# Altium PCB 2-quilter-output.pcbdoc (part 10 of 17) (continued)
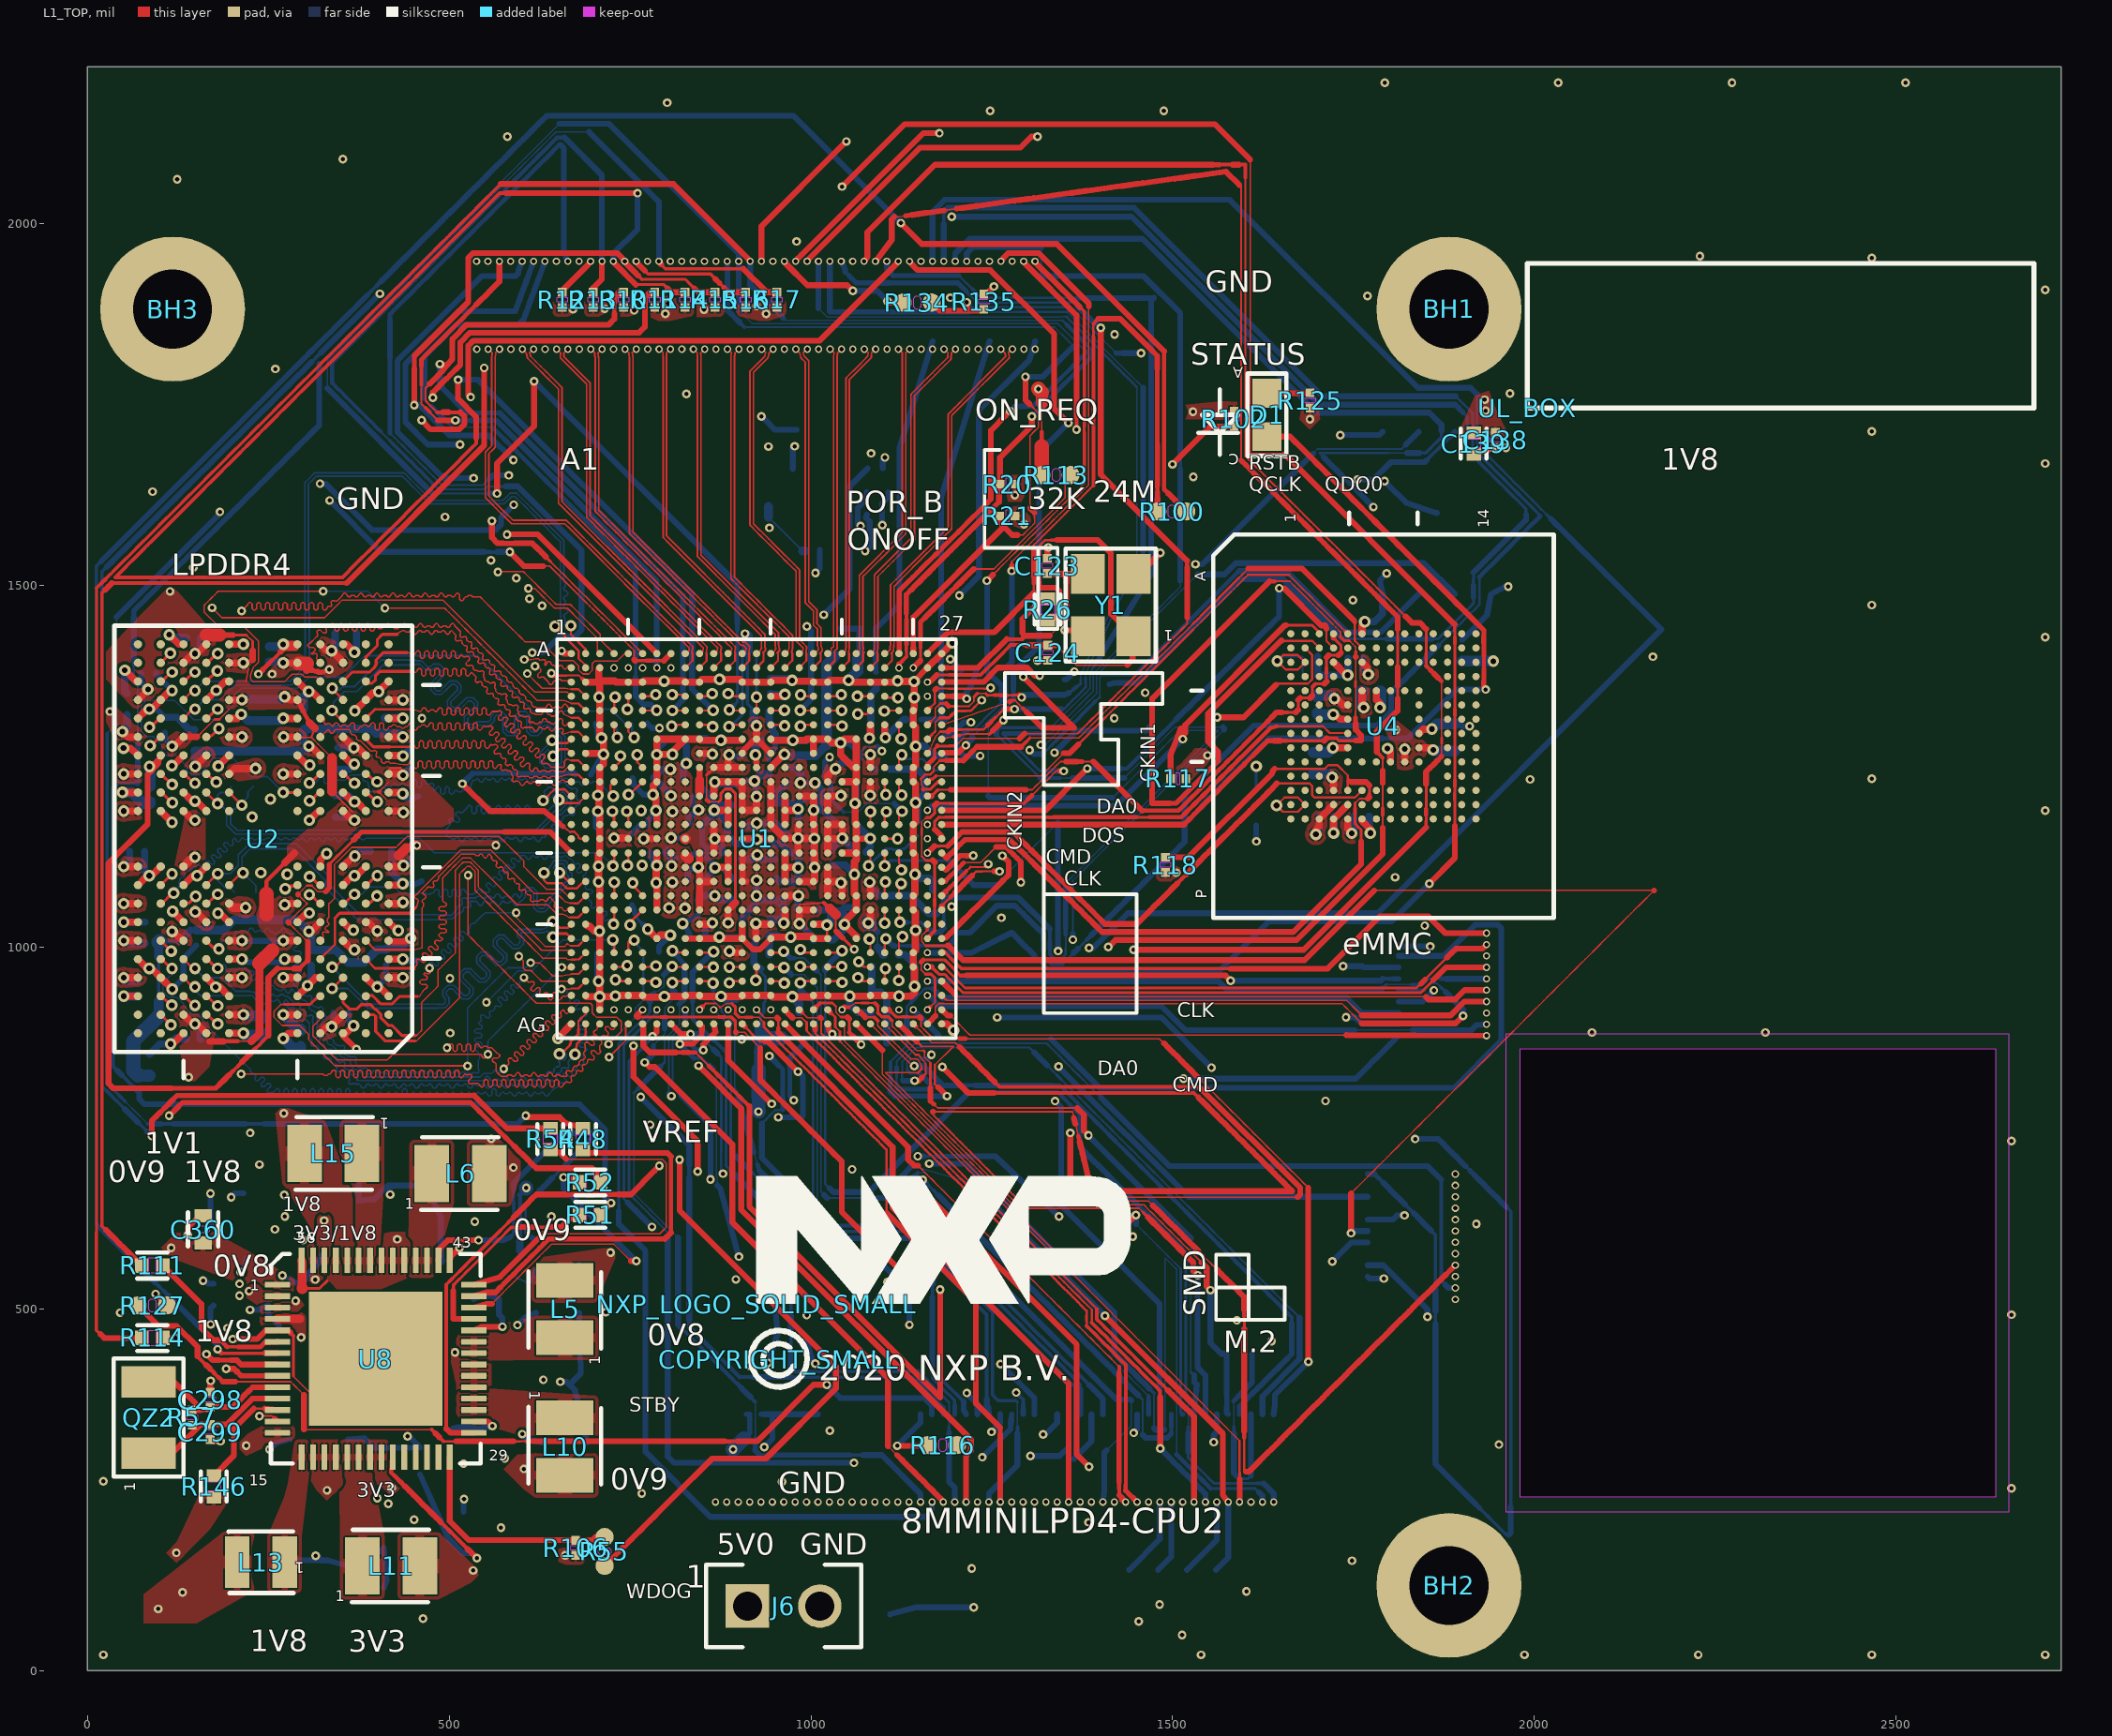
[diagram p0: L1_TOP view]
## Nets (pads, with @x,y where several pads share a name; then routed paths per layer and width w, separated by ;. In a path a pad name is that pad's centre, name@x,y a point inside that pad or via, vN(x,y) a via of type N, cw(c..) or ccw(c..) an arc to the next point about the centre after c; other vN are vias at no path point) (continued)
  L1_TOP w3.37: 1241.79,1350.73 1244.17,1348.35 ; 1244.3,1348.29 1253.06,1348.29 ; 1270.68,1348.29 1279.49,1348.29
  L1_TOP w3.96: 1178.48,1336.6 1186.81,1336.6 ; 1190.28,1333.13 1197.39,1333.13 ; 1279.49,1348.29 v1@1288.31,1348.29
  L1_TOP w4.54: 1225.59,1346.35 1229.97,1350.73 ; 1244.17,1348.35 1244.3,1348.29
  L1_TOP w5.13: 1253.06,1348.29 1261.87,1348.29
  L1_TOP w5.71: 1261.87,1348.29 1270.68,1348.29
  L1_TOP w6.29: U1.F26@1161.11,1307.38 1164.67,1310.93
  L1_TOP w6.88: 1186.81,1336.6 1190.28,1333.13
  L1_TOP w8.05: v1@1288.31,1348.29 v1(1291.37,1345.22)
  L8_BOT w2: 1010.42,1882.96 1016.49,1876.88 1022.56,1870.81 1031.52,1870.81 1040.46,1870.81 1049.41,1870.81 1058.36,1870.81 1067.31,1870.81 1076.26,1870.81 1085.2,1870.81 1094.15,1870.81 1103.1,1870.81 1112.05,1870.81 1121,1870.81 1129.94,1870.81 1138.89,1870.81 1147.84,1870.81 1156.79,1870.81 1165.74,1870.81 1174.69,1870.81 1183.63,1870.81 1192.58,1870.81 1201.53,1870.81 1210.48,1870.81 1219.43,1870.81 1228.37,1870.81 1237.32,1870.81 1246.27,1870.81 1255.22,1870.81 1264.17,1870.81 1273.11,1870.81 1282.06,1870.81 1291.01,1870.81 1299.96,1870.81 1308.91,1870.81 1317.86,1870.81 1326.8,1870.81 1335.75,1870.81 1344.7,1870.81 1345.58,1871.69 1352.87,1871.69 ; 1450.4,1541.36 1450.4,1550.31 1450.4,1559.27 1450.4,1568.22 1450.4,1577.17 1450.4,1586.13 1450.4,1595.08 1450.4,1604.04 1450.4,1612.99 1450.4,1621.94 1450.4,1630.9 1450.4,1639.85 1450.4,1648.8 1450.4,1657.76 1450.4,1666.71 1450.4,1675.66 1450.4,1684.62 1450.4,1693.57 1450.4,1702.53 1450.4,1711.48 1450.4,1720.43 1450.4,1729.39 1450.4,1738.34 1450.4,1747.29 1450.4,1756.25 1450.4,1765.2 1450.4,1774.15
  L8_BOT w2.2: 1372.92,1370.54 1372.92,1376.76 1376.61,1384.61 1380.3,1392.44 1383.99,1400.28 1387.68,1408.12 1391.37,1415.96 1395.06,1423.79 1398.75,1431.63 1402.44,1439.47 1406.13,1447.31 1409.82,1455.15 1413.51,1462.98 1417.2,1470.82 1420.89,1478.66 1424.58,1486.5 1428.27,1494.33 1431.96,1502.17 1435.65,1510.01 1439.34,1517.85 1443.02,1525.68 1446.71,1533.52 1450.4,1541.36
  L8_BOT w3.37: 1352.87,1871.69 1358.96,1865.6 1365.06,1859.5 1371.15,1853.4 1377.25,1847.31 1383.35,1841.21 1389.44,1835.12 1395.54,1829.02 1401.63,1822.92 1407.73,1816.83 1413.83,1810.73 1419.92,1804.63 1426.02,1798.54 1432.12,1792.44 1438.21,1786.35 1444.31,1780.25 1450.4,1774.15 ; 1372.92,1364.31 1372.92,1370.54
  L8_BOT w3.96: R18.1@1356.77,1351.68 1362.15,1355.89 ; 1367.54,1360.1 1372.92,1364.31
  L8_BOT w5.71: 1362.15,1355.89 1367.54,1360.1
  L8_BOT w8.05: 1010.42,1882.96 v3(1010.5,1947.75) ; v1(1291.37,1345.22) 1294.83,1348.68 R18.1@1350.79,1348.69 R18.1@1356.77,1351.68
JTAG_TDI: J4.54 U1.E27
  other v3: 947.51,1947.75
JTAG_TDO: J4.52 U1.E26 | length 1395.5
  L1_TOP w2.79: 1164.67,1330.61 1168.11,1334.06 1171.56,1337.51 ; 1173.4,1357.45 1181.62,1357.45 1189.84,1357.45 ; 1222.71,1357.45 1230.93,1357.45 1239.15,1357.45
  L1_TOP w3.37: 1171.56,1337.51 1171.56,1343.54 1171.56,1349.57 1171.56,1355.6 ; 1189.84,1357.45 1198.06,1357.45 1206.28,1357.45 1214.49,1357.45 1222.71,1357.45 ; 1239.15,1357.45 v1@1247.37,1357.45
  L1_TOP w6.29: U1.E26@1161.11,1327.06 1164.67,1330.61
  L1_TOP w8.05: v3(931.76,1947.75) 931.77,1996.19 1042.57,2106.99 v1(1049.09,2113.51) ; 1171.56,1355.6 1173.4,1357.45 ; v1@1247.37,1357.45 v1(1248.45,1358.53)
  L3_INNER1 w4.54: 1169.84,2113.51 1178.47,2113.51 1184.79,2107.18 1191.11,2100.86 1197.44,2094.54 1203.76,2088.21 1210.08,2081.89 1216.41,2075.57 1222.73,2069.25 1229.05,2062.92 1235.37,2056.6 1241.7,2050.28 1248.02,2043.95 1254.34,2037.63 1260.67,2031.31 1266.99,2024.98 1273.31,2018.66 1279.64,2012.34 1285.96,2006.02 1292.28,1999.69 1298.6,1993.37 1304.93,1987.05 1311.25,1980.72 1317.57,1974.4 1323.9,1968.08 1330.22,1961.75 1336.54,1955.43 1342.87,1949.11 1349.19,1942.78 1355.51,1936.46 1361.84,1930.14 1368.16,1923.82 1374.48,1917.49 1380.8,1911.17 1387.13,1904.85 1393.45,1898.52 1399.77,1892.2 1406.1,1885.88 1412.42,1879.55 1418.74,1873.23 1425.07,1866.91 1431.39,1860.59 1437.71,1854.26 1437.71,1845.29
  L3_INNER1 w8.05: v1(1049.09,2113.51) 1057.71,2113.51 1066.34,2113.51 1074.96,2113.51 1083.59,2113.51 1092.21,2113.51 1100.84,2113.51 1109.46,2113.51 1118.09,2113.51 1126.71,2113.51 1135.34,2113.51 1143.97,2113.51 1152.59,2113.51 1161.22,2113.51 1169.84,2113.51 ; v1(1248.45,1358.53) 1248.45,1386.94 1437.72,1576.21 1437.72,1580.7 1437.71,1585.19 1437.71,1594.16 1437.71,1603.13 1437.71,1612.1 1437.71,1621.07 1437.71,1630.03 1437.71,1639 1437.71,1647.97 1437.71,1656.94 1437.71,1665.91 1437.71,1674.88 1437.71,1683.85 1437.71,1692.82 1437.71,1701.79 1437.71,1710.76 1437.71,1719.73 1437.71,1728.69 1437.71,1737.66 1437.71,1746.63 1437.71,1755.6 1437.71,1764.57 1437.71,1773.54 1437.71,1782.51 1437.71,1791.48 1437.71,1800.45 1437.71,1809.42 1437.71,1818.39 1437.71,1827.35 1437.71,1836.32 1437.71,1845.29
JTAG_TMS: J4.58 U1.F27 | length 1635.1
  L1_TOP w2: U1.F27@1180.8,1307.38 1189.32,1310.25 1197.84,1313.13 1206.36,1316 1214.87,1318.87 1223.39,1321.74 1231.9,1324.61 1240.42,1327.49 1248.94,1330.36 1257.45,1333.23 1265.97,1336.1 1274.49,1338.98 ; 1281.92,1341.31 1287.39,1335.84 1292.85,1330.38
  L1_TOP w3.37: 1276.83,1341.31 1281.92,1341.31
  L1_TOP w4.54: 1275.26,1339.74 1276.83,1341.31
  L1_TOP w5.71: 1292.85,1330.38 1298.31,1324.91
  L1_TOP w6.29: 1274.49,1338.98 1275.26,1339.74
  L1_TOP w8.05: v3(979.01,1947.75) 982.05,1951.79 987.46,1957.21 987.58,1957.21 1155.35,2124.98 v1(1177.56,2124.98) ; v1(1293.38,1373.67) 1298.3,1368.76 1363.98,1303.08 ; 1298.31,1324.91 1303.78,1319.45 1309.24,1313.99 1314.71,1308.52 1320.16,1303.06 1363.98,1303.06
  L3_INNER1 w3.37: 1311.09,1385.52 1316.96,1385.52 1323.27,1391.83 1329.59,1398.15 1335.91,1404.47 1342.23,1410.79 1348.55,1417.11 1354.87,1423.43 1361.19,1429.75 1367.51,1436.07 1373.83,1442.39 1380.15,1448.71 1386.47,1455.03 1392.79,1461.35 1399.11,1467.67 1405.43,1473.99 1411.75,1480.31 1418.07,1486.63 1424.39,1492.95 1430.71,1499.27 1437.03,1505.59 1443.34,1511.9 1449.66,1518.22 1455.98,1524.54 1462.3,1530.86
  L3_INNER1 w3.96: v1(1177.56,2124.98) 1183.91,2118.62 1190.27,2112.26 1196.63,2105.91 1202.98,2099.55 1209.34,2093.19 1215.69,2086.84 1222.05,2080.48 1228.41,2074.13 1234.76,2067.77 1241.12,2061.41 1247.48,2055.06 1253.83,2048.7 1260.19,2042.34 1266.54,2035.99 1272.9,2029.63 1279.26,2023.28 1285.61,2016.92 1291.97,2010.56 1298.33,2004.21 1304.68,1997.85 1311.04,1991.49 1317.39,1985.14 1323.75,1978.78 1330.11,1972.43 1336.46,1966.07 1342.82,1959.71 1349.18,1953.36 1355.53,1947 1361.89,1940.64 1368.25,1934.29 1374.6,1927.93 1380.96,1921.58 1387.31,1915.22 1393.67,1908.86 1400.03,1902.51 1406.38,1896.15 1412.74,1889.79 1419.1,1883.44 1425.45,1877.08 1431.81,1870.73 1438.16,1864.37 1444.52,1858.01 ; 1462.3,1530.86 1462.3,1537.64 1462.3,1544.42 1462.3,1551.2 1462.3,1557.97
  L3_INNER1 w4.54: 1305.22,1385.52 1311.09,1385.52 ; 1444.52,1858.01 1450.88,1851.66
  L3_INNER1 w8.05: v1(1293.38,1373.67) 1305.22,1385.52 ; 1450.88,1851.66 1457.23,1845.3 1463.59,1838.94 1469.95,1832.59 1476.3,1826.23 1482.66,1819.88 1489.01,1813.52 1495.37,1807.16 1501.73,1800.81 1508.08,1794.45 1514.44,1788.09 1520.8,1781.74 1527.15,1775.38 1533.51,1769.03 1539.86,1762.67 1546.22,1756.31 1552.58,1749.96 1558.93,1743.6 1565.29,1737.24 1571.65,1730.89 1578,1724.53 1584.36,1718.17 1590.71,1711.82 1597.07,1705.46 1597.07,1692.75 1462.3,1557.97
LX1: L5.1 U8.36 U8.37
LX2: L6.1 U8.45 U8.46
LX3: L10.1 U8.31 U8.32
LX4: L11.1 U8.19 U8.20
LX5: L13.1 U8.15
M.2_32K_OUT: J5.37 R116.2 | length 100.3
  L1_TOP w8.05: v1(1119.23,310.93) 1128.94,310.93 1160.91,310.93 R116.2@1162,312
  L8_BOT w8.05: v1(1119.23,310.93) 1119.46,310.93 1151.52,342.99 J5.37@1151.53,354.53
NC1: U1.J18
NetC245_1: C245.1 U1.R22 | length 104.8
  L1_TOP w3: v2(1079.64,1112.35) 1082.37,1115.08 U1.R22@1082.37,1130.22
  L8_BOT w4.1: v2(1079.64,1112.35) 1103.14,1135.85 1112.66,1135.85 1113.66,1134.85 1126.14,1134.85 1127.2,1135.91 1129.39,1135.91 C245.1@1147.38,1153.9
NetC268_1: C268.1 U1.D15 | length 40.7
  L1_TOP w10: U1.D15@944.57,1346.75 961.38,1346.75 v2(963.95,1349.32)
  L8_BOT w10: C268.1@944.2,1350.57 945.45,1349.32 v2(963.95,1349.32)
NetD1_A: D1.A R125.2 | length 59.8
  L1_TOP w8.05: D1.A@1630.29,1765.74 1650.28,1765.75 1689.29,1765.75 R125.2@1689.83,1766.27
NetD1_C: D1.C Q1.3 | length 953.8
  L1_TOP w5.13: 1929.86,1385.25 1929.86,1394.05 1929.86,1402.85
  L1_TOP w6.29: 1929.86,1367.66 1929.86,1376.46 1929.86,1385.25 ; 1929.86,1402.85 1929.86,1411.65 1929.86,1420.44 ; 1929.86,1429.24 1929.86,1438.04
  L1_TOP w6.88: 1923.63,1444.27 1929.86,1438.04 ; 1929.86,1367.66 1929.86,1358.86 v1(1932.59,1356.13) ; 1929.86,1420.44 1929.86,1429.24
  L1_TOP w7.46: 1761.76,1606.14 1767.99,1599.91 1774.22,1593.68 ; 1917.41,1450.49 1923.63,1444.27
  L1_TOP w8.05: D1.C@1630.29,1705.74 1662.15,1705.75 1668.38,1699.52 1674.6,1693.3 1680.83,1687.07 1687.05,1680.84 1693.28,1674.62 1699.51,1668.39 1705.73,1662.17 1711.96,1655.94 1718.18,1649.72 1724.41,1643.49 1730.64,1637.26 1736.86,1631.04 1743.09,1624.81 1749.31,1618.59 1755.54,1612.36 1761.76,1606.14 ; 1774.22,1593.68 1780.44,1587.46 1786.67,1581.23 1792.89,1575.01 1799.12,1568.78 1805.34,1562.56 1811.57,1556.33 1817.8,1550.1 1824.02,1543.88 1830.25,1537.65 1836.47,1531.43 1842.7,1525.2 1848.92,1518.97 1855.15,1512.75 1861.38,1506.52 1867.6,1500.3 1873.83,1494.07 1880.05,1487.85 1886.28,1481.62 1892.51,1475.39 1898.73,1469.17 1904.96,1462.94 1911.18,1456.72 1917.41,1450.49
  L8_BOT w4.54: 1711.59,1288.59 1720.28,1288.59 1728.97,1288.59
  L8_BOT w5.71: 1798.51,1288.59 1807.2,1288.59 1815.89,1288.59
  L8_BOT w6.29: 1789.81,1288.59 1798.51,1288.59
  L8_BOT w7.46: 1728.97,1288.59 1737.67,1288.59
  L8_BOT w8.05: Q1.3@1540.53,1194 1540.54,1195.76 1633.37,1288.59 1642.06,1288.59 1650.75,1288.59 1659.44,1288.59 1668.13,1288.59 1676.82,1288.59 1685.52,1288.59 1694.21,1288.59 1702.9,1288.59 1711.59,1288.59 ; 1737.67,1288.59 1746.36,1288.59 1755.05,1288.59 1763.74,1288.59 1772.43,1288.59 1781.12,1288.59 1789.81,1288.59 ; 1815.89,1288.59 1824.58,1288.59 1892.12,1356.13 1923.61,1356.13 v1(1932.59,1356.13)
NetL15_1: L15.1 U8.50 U8.51
NetR7_2: R7.2 U1.P2 | length 363.1
  L1_TOP w2.79: 657.98,1166.64 662.73,1162.81 667.48,1158.98
  L1_TOP w3: 668.98,1159.74 673.06,1159.74 678.82,1153.98 678.82,1151.65 680.58,1149.89 U1.P2@688.67,1149.9
  L1_TOP w6.88: 651.33,1172 657.98,1166.64
  L1_TOP w8.05: v1(518.53,1225.99) 556.43,1188.09 631.4,1188.09 638.04,1182.73 644.69,1177.36 651.33,1172
  L8_BOT w6.88: 532.79,1240.25 541.74,1240.25 550.68,1240.25 559.63,1240.25 568.58,1240.25 577.52,1240.25 586.47,1240.25 595.42,1240.25 604.36,1240.25 613.31,1240.25 622.25,1240.25 631.2,1240.25 640.15,1240.25 649.09,1240.25 658.04,1240.25 665.58,1240.25
  L8_BOT w7.46: 665.58,1240.25 R7.2@673.13,1240.25
  L8_BOT w8.05: v1(518.53,1225.99) 524.6,1232.06 532.79,1240.25 ; R7.2@673.13,1240.25 R7.2@674.94,1238.44
NetR28_1: R28.1 U1.D19 | length 320.4
  L1_TOP w3: U1.D19@1023.31,1346.75 1039.36,1346.75 1041.72,1349.11 v2(1042.09,1349.11)
  L3_INNER1 w6.29: 1038.49,1361.39 1038.49,1370.05 1038.49,1378.71 ; 1038.49,1439.32 1038.49,1447.98 1038.49,1456.64
  L3_INNER1 w7.46: 1038.49,1361.39 1042.09,1357.79 ; 1038.49,1378.71 1038.49,1387.37 1038.49,1396.03 1038.49,1404.69 1038.49,1413.35 1038.49,1422 1038.49,1430.66 1038.49,1439.32 ; 1050.27,1563.66 1056.16,1569.55
  L3_INNER1 w8.05: 1038.49,1456.64 1038.49,1465.3 1038.49,1473.95 1038.49,1482.61 1038.49,1491.27 1038.49,1499.93 1038.49,1508.59 1038.49,1517.25 1038.49,1525.9 1038.49,1534.56 1038.49,1543.22 1038.49,1551.88 1044.38,1557.77 1050.27,1563.66 ; v2(1042.09,1349.11) 1042.09,1357.79 ; 1056.16,1569.55 1062.05,1575.44 v1(1068.64,1582.03)
  L8_BOT w8.05: v1(1068.64,1582.03) 1064.8,1585.87 1064.8,1606.99 1077.22,1619.41 R28.1@1077.24,1629
NetR29_1: R29.1 U1.E19 | length 389.5
  L1_TOP w3: U1.E19@1023.31,1327.06 1042.27,1327.06 v2(1042.59,1327.38)
  L3_INNER1 w6.29: 1028.37,1341.59 1028.37,1350.51 1028.37,1359.44 1028.37,1368.36 ; 1028.37,1377.28 1028.37,1386.2 1028.37,1395.12 1028.37,1404.04 1028.37,1412.97 1028.37,1421.89 1028.37,1430.81 1028.37,1439.73 1028.37,1448.65
  L3_INNER1 w6.88: 1028.37,1341.59 1033.1,1336.86 ; 1028.37,1368.36 1028.37,1377.28
  L3_INNER1 w7.46: 1024.16,1452.86 1028.37,1448.65
  L3_INNER1 w8.05: v1(1017.74,1459.28) 1024.16,1452.86 ; 1033.1,1336.86 1037.84,1332.12 v2(1042.59,1327.38)
  L8_BOT w8.05: v1(1017.74,1459.28) 1025.9,1467.44 1053.73,1495.27 1053.73,1637.24 R29.1@1078.49,1662
NetR30_1: R30.1 U1.E22 | length 307.9
  L1_TOP w3: v2(1064.78,1322.36) 1077.67,1322.36 U1.E22@1082.37,1327.06
  L3_INNER1 w8.05: v2@1064.78,1322.34 1070.47,1328.05 1078.84,1336.42 1078.84,1378.65 1075.08,1382.41 1075.08,1537.44 v1(1075.08,1547.54)
  L8_BOT w8.05: v1(1075.08,1547.54) 1081.21,1553.67 1081.21,1588.4 1075.87,1593.75 R30.1@1077.38,1598.3
NetR48_2: R48.2 U8.41 | length 538
  L1_TOP w5.71: 806.7,605.47 806.7,614.25 806.7,623.02 806.7,631.79 806.7,640.57 806.7,649.34 806.7,658.12 806.7,666.89 806.7,675.67 806.7,684.44 806.7,693.21 806.7,701.99 806.7,710.76
  L1_TOP w6.88: 570.92,529.99 576.98,536.05 583.05,542.11 589.11,548.18 595.18,554.24 601.24,560.31 607.3,566.37 613.37,572.43 619.43,578.5 625.5,584.56 631.56,590.63 637.62,596.69 646.52,596.69 655.42,596.69 664.32,596.69 673.22,596.69 682.12,596.69 691.01,596.69 699.91,596.69 708.81,596.69 717.71,596.69 726.61,596.69 735.51,596.69 744.4,596.69 753.3,596.69 762.2,596.69 771.1,596.69 780,596.69 788.9,596.69 797.79,596.69
  L1_TOP w8.05: U8.41@534.51,517.85 552.04,523.04 563.98,523.04 564.86,523.92 570.92,529.99 ; R48.2@685,720.24 689.63,715.61 801.85,715.61 806.7,710.76 ; 797.79,596.69 797.92,596.69 806.7,605.47
NetR51_2: R51.2 U8.39 | length 288.5
  L1_TOP w3.96: 512.07,539.05 518.26,545.23 524.44,551.42 530.63,557.6 536.81,563.79 543,569.97 549.18,576.16 555.37,582.35 561.56,588.53 567.74,594.72 573.93,600.9 580.11,607.09
  L1_TOP w4.54: 505.89,525.11 505.89,532.86 512.07,539.05 ; 580.11,607.09 586.3,613.27 594.88,613.27 ; 620.61,613.27 629.19,613.27 637.77,613.27
  L1_TOP w8.05: 505.89,525.11 505.89,517.36 505.89,509.61 505.89,501.87 505.89,494.12 505.89,486.37 U8.39@534.52,486.35 ; 594.88,613.27 603.46,613.27 612.03,613.27 620.61,613.27 ; 637.77,613.27 646.35,613.27 654.93,613.27 666.63,624.97 R51.2@680.24,630
NetR52_2: R52.2 U8.40 | length 449.1
  L1_TOP w2: 559.34,507.3 560.38,508.35 566.62,514.58 572.86,520.82 579.09,527.06 585.33,533.29 591.57,539.53 597.8,545.77 604.04,552 610.28,558.24 616.51,564.48 622.75,570.71 628.99,576.95 635.22,583.19 641.46,589.42 650.13,589.42 658.79,589.42 667.46,589.42 676.13,589.42 684.79,589.42 693.46,589.42 702.13,589.42 710.79,589.42 719.46,589.42 728.13,589.42 733.91,583.64 739.69,577.87 745.46,572.09 751.24,566.31
  L1_TOP w8.05: U8.40@534.52,502.1 552.05,507.3 559.34,507.3 ; v1(658.41,682.01) 661.3,682 R52.2@680.24,675 ; 751.24,566.31 v1(758.84,566.31)
  L8_BOT w8.05: v1(658.41,682.01) 658.41,666.74 v1(758.84,566.31)
NetR54_2: R54.2 U8.42 | length 551
  L1_TOP w2: 630.06,603.96 639.01,603.96 647.95,603.96 656.9,603.96 665.84,603.96 674.79,603.96 683.73,603.96 692.67,603.96 701.62,603.96 710.56,603.96 719.51,603.96 728.45,603.96 737.4,603.96 746.34,603.96 755.28,603.96 764.23,603.96 773.17,603.96 782.12,603.96 791.06,603.96 791.13,603.96 795.57,608.4 800.01,612.84 800.01,621.72 800.01,630.6 800.01,639.47 800.01,648.35 800.01,657.23 800.01,666.1 800.01,674.98 800.01,683.86 800.01,692.74 800.01,701.61 794.53,707.09 785.69,707.09 776.86,707.09 768.02,707.09 759.18,707.09 750.35,707.09 741.51,707.09 732.68,707.09 723.84,707.09 715,707.09 706.17,707.09 697.33,707.09 688.49,707.09 679.66,707.09 670.82,707.09 661.98,707.09
  L1_TOP w8.05: U8.42@534.52,533.59 570.3,544.19 630.06,603.96 ; R54.2@640,720.24 652.63,716.44 661.98,707.09
NetR55_2: R55.2 R106.2 U8.28 | length 315.2
  L1_TOP w8.05: U8.28@501.05,295.4 501.04,207.06 527.58,180.52 R106.2@675,180.51 697.91,180.51 702.4,185 R55.2@715,185
NetR108_1: R108.1 U1.F22 | length 93.3
  L1_TOP w10: v2(1080.89,1288.9) 1082.37,1290.38 U1.F22@1082.37,1307.38
  L8_BOT w10: v2(1080.89,1288.9) 1082.89,1290.9 1082.89,1349.4 1089.89,1356.4 R108.1@1089.89,1359.39
NetR109_1: R109.1 U1.F23 | length 57.4
  L1_TOP w10: U1.F23@1102.05,1307.38 1102.05,1290.4 v2(1102.9,1289.55)
  L8_BOT w10: v2(1102.9,1289.55) 1102.9,1289.93 1127.87,1314.9 R109.1@1131.38,1314.9
NetR111_1: R111.1 U8.6 | length 226.7
  L1_TOP w4.54: 193.43,447.55 201.09,447.55 208.75,447.55
  L1_TOP w6.29: 184.04,456.94 188.74,452.25 193.43,447.55 ; 208.75,447.55 216.4,447.55 224.06,447.55 231.71,447.55 239.37,447.55 245.35,453.53
  L1_TOP w8.05: R111.1@104.76,560 157.9,506.87 157.9,473.56 174.52,456.94 184.04,456.94 ; 245.35,453.53 U8.6@262.85,454.86
NetR114_1: R114.1 U8.9 | length 180.1
  L1_TOP w7.46: 207.87,412.58 212.83,407.62 221.17,407.62 229.5,407.62 237.84,407.62 246.18,407.62 254.52,407.62 U8.9@262.86,407.61
  L1_TOP w8.05: R114.1@104.76,460 121.75,460 v1(122.09,460.33) ; v1(192.06,417.54) 202.9,417.54 207.87,412.58
  L3_INNER1 w8.05: v1(122.09,460.33) 164.88,417.54 v1(192.06,417.54)
NetR127_2: R127.2 U8.8 | length 238.3
  L1_TOP w6.29: 181.79,429.23 190.15,429.23 198.51,429.23
  L1_TOP w7.46: v1(94.54,520.82) 99.7,515.67
  L1_TOP w8.05: 99.7,515.67 104.85,510.52 109.84,505.53 109.84,505.16 R127.2@110,505 ; v1(164.95,437.72) 173.43,429.23 181.79,429.23 ; 198.51,429.23 206.87,429.23 212.73,423.37 U8.8@262.86,423.36
  L3_INNER1 w8.05: v1(94.54,520.82) 164.95,450.42 v1(164.95,437.72)
NetR146_2: R146.2 U8.12 | length 148.2
  L1_TOP w2.79: 230.24,362.37 237.8,362.37 245.35,362.37
  L1_TOP w8.05: R146.2@175,269.76 202.52,297.28 202.52,334.66 230.24,362.37 ; 245.35,362.37 U8.12@262.86,360.36
NetTP15_1: U1.N2
NetTP18_1: U4.K5
NetTP54_1: U8.27
NetTP55_1: U8.26
NetTP56_1: U8.25
NetTP57_1: U8.24
NVCC_DRAM_1V1: C88.1 C89.1 C90.1 C91.1 C92.1 C93.1 C94.1 C95.1 C110.1 C111.1 C112.1 C113.1 C114.1 C115.1 C117.1 C118.1 C119.1 C324.1 C373.1 C374.1 C375.1 C376.1 C378.1 C379.1 C380.1 C381.1 C382.1 L15.2 R5.1 R6.1 U1.K8 U1.K9 U1.L9 U1.M9 U1.N8 U1.N9 U1.P7 U1.R8 U1.R9 U1.T9 U1.U9 U1.V8 U1.V9 U2.A4 U2.A9 U2.AA3 U2.AA5 U2.AA8 U2.AA10 U2.AB4 U2.AB9 U2.B3 U2.B5 U2.B8 U2.B10 U2.D1 U2.D5 U2.D8 U2.D12 U2.F3 U2.F5 U2.F8 U2.F10 U2.G2 U2.H1 U2.H5 U2.H8 U2.H12 U2.K1 U2.K3 U2.K10 U2.K12 U2.N1 U2.N3 U2.N10 U2.N12 U2.R1 U2.R5 U2.R8 U2.R12 U2.T2 U2.U3 U2.U5 U2.U8 U2.U10 U2.W1 U2.W5 U2.W8 U2.W12 U8.52 | length 4975.5
  L1_TOP w2: 151.8,1290.66 163.91,1302.77 176.02,1314.88 ; 182.28,1314.88 186.35,1318.95 196.1,1329.2 ; 207.96,869.87 226.86,869.87 ; 219.02,1366.66 222.9,1385.55 ; 296.34,1289.7 309.34,1289.7 309.54,1289.9 ; 309.97,1289.9 319.34,1280.53 ; 319.34,1280.42 328.87,1270.89 338.4,1261.36 ; 403.03,1214.57 413.27,1204.33 ; 403.03,1214.6 416.57,1228.15
  L1_TOP w2.62: 219.89,1431.29 228.68,1422.51 ; 309.97,1289.9 309.54,1289.9 314.71,1302.44 ; 319.34,1280.42 319.34,1280.53 ; 338.4,1215.18 352.53,1201.05 366.67,1186.91
  L1_TOP w4.21: 176.02,1314.88 182.28,1314.88 ; 201.58,1431.29 219.89,1431.29 ; 228.68,1409.85 228.68,1422.51 ; 304.52,1392.14 317.88,1378.79 319.3,1378.65 324.45,1378.37 327.76,1379.12 ; 318.98,1381.02 327.77,1382.64 ; 418.22,1247.13 432.97,1247.13 ; 440.57,1136.77 450.66,1146.86 v1@454.96,1145.5
  L1_TOP w5.79: 188.43,869.87 207.96,869.87 ; 247.44,1073.77 247.44,1090.95 260.41,1103.92 273.37,1116.88 ; 298.66,1326.12 306.74,1310.41
  L1_TOP w7.38: 183.27,1431.29 201.58,1431.29 ; U2.W5@290.57,1341.83 298.66,1326.12 ; 303.39,1383.1 318.98,1381.02
  L1_TOP w8.96: U2.U10@133.11,1290.66 151.8,1290.66 ; 168.89,869.87 188.43,869.87 ; 228.2,1396.71 228.68,1397.18 228.68,1409.85
  L1_TOP w10: v2(50.41,957.97) U2.D12@70.1,957.97 ; v2(50.41,1060.33) U2.H12@70.1,1060.33 ; v2(50.41,1111.51) U2.K12@70.1,1111.51 ; v2(50.41,1188.29) U2.N12@70.1,1188.29 ; v2(50.41,1239.47) U2.R12@70.1,1239.47 ; U2.W12@70.1,1341.83 84.04,1355.77 v2(84.04,1356.43) ; v2(117.34,1021.95) U2.F10@133.09,1009.15 ; v2(117.34,1277.85) 120.29,1277.85 U2.U10@133.09,1290.65 ; U2.B10@133.09,906.79 145.89,893.99 v2(148.84,893.99) 151.8,893.99 U2.A9@164.59,881.2 ; U2.N10@133.09,1188.29 145.89,1175.49 v2(148.84,1175.49) ; U2.AA10@133.09,1393.01 145.89,1405.81 v2(148.84,1405.81) 151.8,1405.81 U2.AB9@164.59,1418.6 ; U2.B8@196.09,906.79 v2(215.77,906.79) ; U2.D8@196.09,957.97 v2(213.84,957.97) ; U2.F8@196.09,1009.15 v2(213.84,1009.15) ; U2.R8@196.09,1239.47 203.52,1246.9 v2(232.65,1246.9) ; U2.U8@196.09,1290.65 v2(213.84,1290.65) ; U2.W8@196.09,1341.83 213.64,1341.83 v2(213.84,1342.03) ; U2.AA8@196.09,1393.01 v2(215.77,1393.01) ; v2(270.89,906.79) U2.B5@290.57,906.79 ; v2(270.89,957.97) U2.D5@290.57,957.97 ; v2(270.89,1009.15) U2.F5@290.57,1009.15 ; v2(270.89,1239.47) U2.R5@290.57,1239.47 ; v2(270.89,1393.01) U2.AA5@290.57,1393.01 ; v2(271.39,1290.65) U2.U5@290.57,1290.65 ; v2(272.81,1346) 276.98,1341.83 U2.W5@290.57,1341.83 ; v2(272.88,1058.86) 274.35,1060.33 U2.H5@290.57,1060.33 ; U2.A4@322.07,881.2 330.91,890.04 v2(337.94,890.04) 337.94,891.16 U2.B3@353.57,906.79 ; U2.AB4@322.07,1418.6 330.76,1409.91 v2(337.78,1409.91) 353.57,1394.12 U2.AA3@353.57,1393.01 ; U2.F3@353.57,1009.15 366.36,996.36 v2(369.31,996.36) ; U2.K3@353.57,1111.51 366.37,1124.31 368.06,1124.31 v2(369.83,1126.08) ; U2.N3@353.57,1188.29 366.37,1175.49 v2(369.31,1175.49) ; U2.U3@353.57,1290.65 v2(368.56,1275.66) 374.46,1275.66 U2.T2@385.06,1265.06 ; U2.G2@385.06,1034.74 388.61,1034.74 v2(400.81,1022.54) ; U2.D1@416.56,957.97 v2(436.24,957.97) ; U2.H1@416.56,1060.33 434.64,1060.33 v2(436.35,1062.04) ; U2.K1@416.56,1111.51 434.71,1111.51 436.14,1112.94 v2(437.04,1112.94) ; U2.N1@416.56,1188.29 434.71,1188.29 v2(436.83,1186.17) ; U2.R1@416.56,1239.47 434.64,1239.47 v2(436.35,1237.76) ; U2.W1@416.56,1341.83 v2(436.24,1341.83) ; v2(768.89,1149.9) U1.P7@787.09,1149.9
  L1_TOP w10.55: 226.86,869.87 237.95,880.95 237.95,899.83 237.95,919.33 237.95,938.83 237.95,958.33 237.95,977.83 ; 273.37,1116.88 286.34,1129.85 ; U2.AA5@293.5,1393 303.39,1383.1 ; 306.74,1310.41 314.71,1302.44
  L1_TOP w12: U2.K10@133.09,1111.51 145.89,1124.31 v2(148.84,1124.31) ; U2.H8@196.09,1060.33 201.52,1054.9 v2(218.89,1054.9)
  L1_TOP w13.72: 338.4,1215.18 338.4,1230.58 338.4,1245.97 338.4,1261.36 ; 430.48,1126.68 440.57,1136.77 ; U1.R9@826.63,1126.24 830.99,1121.88
  L1_TOP w18.47: 164.95,1431.29 183.27,1431.29 ; U2.AA5@291.69,1392.14 304.52,1392.14
  L1_TOP w20.06: 237.95,977.83 255.58,995.46 ; 247.44,1045.99 247.44,1056.6 247.44,1073.77
  L3_INNER1 w2: 18.21,1319.85 16.07,1323.8 18.18,1327.79 ; 173,1290.65 189.4,1290.65 ; 176.86,1009.15 195.35,1009.15 ; 395.1,1109.83 410.99,1109.83 ; 565,1530.1 580.41,1522.3
  L3_INNER1 w2.62: 20.62,1329.81 17.47,1323.96 23.5,1314.61 ; 158.38,1009.15 176.86,1009.15 ; 189.23,1315.55 199.15,1325.47 209.07,1335.39 ; 270.99,1382.53 275.31,1381.66 292.14,1381.66 308.97,1381.66 325.57,1381.66 v1@330.63,1386.72 ; 286.95,1239.46 301.61,1239.46 316.28,1239.46 330.94,1239.46 ; 293.06,1033.85 310.91,1033.85 328.76,1033.85 ; 383.59,1098.32 395.1,1109.83 ; 403.91,1155.51 424.52,1155.51 445.14,1155.51 465.75,1155.51 486.37,1155.51 506.98,1155.51 527.6,1155.51 548.21,1155.51 ; 710.08,1162.78 725.39,1162.78 740.69,1162.78 756,1162.78
  L3_INNER1 w4.21: 18.21,1319.85 21.32,1313.4 ; 18.18,1327.79 21.59,1334.17 ; 20.62,1329.81 26.27,1340.31 ; 168.67,1315.55 189.23,1315.55 ; 174.08,1150.56 194.53,1150.56 214.97,1150.56 235.41,1150.56 255.86,1150.56 276.3,1150.56 296.74,1150.56 317.19,1150.56 337.63,1150.56 358.07,1150.56 378.52,1150.56 398.96,1150.56 403.91,1155.51 ; 189.4,1290.65 205.79,1290.65 ; v2(218.89,1054.9) 228.69,1039.19 248.37,1039.19 268.04,1039.19 287.72,1039.19 ; 410.99,1109.83 417.96,1116.8 ; 421.36,1303.34 434.67,1303.34 449.57,1303.34 ; 549.93,906.99 560.29,917.36 569.97,927.04
  L3_INNER1 w5.79: 153.64,1150.56 174.08,1150.56 ; 168.67,1315.55 148.12,1315.55 160.56,1303.09 173,1290.65 ; 209.07,1335.39 v2(213.84,1342.03) ; 393.86,1057.06 399.52,1057.06 415.45,1057.06 ; 417.96,1116.8 v2(437.04,1112.94) ; 530.47,906.99 549.93,906.99 ; 701.5,1154.21 710.08,1162.78
  L3_INNER1 w7.38: 21.59,1334.17 26.69,1343.73 ; 143.54,1140.46 153.64,1150.56 ; 383.59,1098.32 383.59,1077.69 383.59,1067.33 393.86,1057.06 ; 415.45,1057.06 431.38,1057.06 v2(436.35,1062.04)
  L3_INNER1 w8.96: 205.79,1290.65 v2(213.84,1290.65) ; 355.42,906.99 374.87,906.99 ; 580.41,1522.3 v1(592.75,1509.96)
  L3_INNER1 w10.55: 374.87,906.99 394.32,906.99 ; 548.21,1155.51 558.75,1144.97
  L3_INNER1 w12.13: 287.72,1039.19 293.06,1033.85
  L3_INNER1 w13.72: 26.27,1340.31 28.08,1341.05 31.29,1344.26 ; 195.35,1009.15 v2(213.84,1009.15) ; 342.92,1251.45 354.9,1263.43 366.88,1275.41 v2@368.56,1275.65
  L3_INNER1 w15.3: v2(148.84,1124.31) 149.25,1132.36 ; 449.57,1303.34 455.84,1309.61 ; v1(501.26,956.88) 511.87,956.88 526.69,956.88 541.5,956.88 556.08,942.3 569.97,928.41
  L3_INNER1 w16.89: v2@368.56,1275.65 380.32,1275.65 ; 419.77,1303.34 421.36,1303.34
  L3_INNER1 w18.47: 455.84,1309.61 v1(462.52,1316.3)
  L3_INNER1 w20.06: 26.7,1343.73 26.7,1427.75 143.36,1544.41 ; 31.29,1344.26 31.29,1401.11 95.91,1465.73 95.91,1494.68 ; 92.43,1020.24 81.34,1031.32 70.26,1042.4 70.26,1044.04 58.95,1055.36 58.94,1100.96 98.44,1140.46 143.54,1140.46 149.25,1134.75 149.25,1132.36 ; 328.76,1033.85 341.26,1021.36 ; 330.94,1239.46 342.92,1251.45 ; 380.32,1275.65 392.07,1275.65 419.77,1303.34 ; 394.32,906.99 413.77,906.99 433.22,906.99 452.67,906.99 472.12,906.99 491.57,906.99 511.02,906.99 530.47,906.99 ; 558.75,1144.97 v1@564.59,1143.9 ; v1(564.79,1140.96) 564.79,1143.7 v1@564.59,1143.9 ; 569.97,927.04 569.97,928.41 ; 701.5,1154.21 692.92,1145.63 v1@564.59,1143.9 ; 756,1162.78 v2(768.89,1149.9)
  L8_BOT w5.79: C93.1@801.29,1136.65 815.08,1122.86
  L8_BOT w8: C373.1@74.38,1378.9 74.38,1366.09 v2(84.04,1356.43) ; C375.1@107.2,1296.78 107.2,1287.99 v2(117.34,1277.85) ; v2(213.84,1009.15) 214.33,1008.66 C115.1@241.39,1008.66 270.4,1008.66 v2(270.89,1009.15) ; v2(337.94,890.04) 340.06,892.16 C379.1@340.06,909.56 ; v2(436.24,957.97) v2@438.94,960.67 ; v2(806.78,1151.05) 821.12,1151.05 C90.1@827.25,1144.92
  L8_BOT w10: v2(50.41,1111.51) 58.45,1119.55 C374.1@58.45,1132.26 ; v2(337.78,1409.91) 342.47,1414.6 C112.1@342.47,1434.05 ; C111.1@343,1179.89 364.91,1179.89 v2(369.31,1175.49) ; C118.1@346.54,1275.44 368.34,1275.44 v2(368.56,1275.66) ; v2(369.83,1126.08) 376.65,1132.9 C117.1@391.13,1132.9 ; v2(436.35,1237.76) 444.73,1246.14 ; v2(437.04,1112.94) 445.07,1120.97 ; C93.1@799.22,1131.11 806.78,1123.55 806.78,1113.14 v2(807.54,1112.38) ; v2(805.89,1245.9) 794.91,1245.9 C89.1@783.01,1234 801.89,1215.12 801.89,1214.03 v2(806.78,1209.14) ; C94.1@820,1285 827.89,1277.11 v2(827.89,1253.9) 823.38,1249.39 C95.1@823.38,1233.61
  L8_BOT w12: v2(50.41,957.97) 54.97,953.41 C381.1@68.89,953.41 ; v2(148.84,893.99) 156.7,886.13 C380.1@156.7,873.63 ; v2(148.84,1405.81) 157.53,1414.5 C114.1@157.53,1427.27 ; v2(213.84,1342.03) 214.47,1342.66 C110.1@242.89,1342.66 269.47,1342.66 v2(272.81,1346) ; C378.1@251.62,1394.46 269.44,1394.46 v2(270.89,1393.01) ; v2(436.83,1186.17) v2@438.05,1187.39
  L8_BOT w15: v2(215.77,906.79) 217.33,905.23 242.62,905.23 R6.1@242.62,902.24 ; v2(270.89,906.79) 290.53,887.15 294.98,887.15 R5.1@294.98,884.16
  other v1: 225.25,743.43 271.74,770.37 140.15,820.14 455.35,1140.6 255.36,1377.57 334.53,1383.89 628.62,1471.84 611.19,1481.67 114.53,1491.7 146.78,1524.76 558.11,1534.83
  other v2: 804.18,1054.36 825.89,1053.9 808.62,1089.9 808.72,1187.34
NVCC_ENET: C2.1 C392.1 J7.19 U1.W22 | length 1373.2
  L1_TOP w10: v2(1079.41,1033.53) 1082.37,1036.49 U1.W22@1082.37,1051.48
  L6_PWR w2: 1092.14,993.08 1092.14,1006.15 1092.14,1019.23
  L6_PWR w5.79: 1084.32,1027.05 1092.14,1019.23
  L6_PWR w8.96: v2(1079.41,1033.53) 1084.32,1027.05
  L6_PWR w13.72: 1085.45,952.09 1085.45,969.24 1085.45,986.39
  L6_PWR w16.89: 1125.72,800.35 1125.72,819.64 1125.72,838.93 1125.72,858.22
  L6_PWR w18.47: 1085.45,934.94 1085.45,952.09 ; 1085.45,986.39 1092.14,993.08
  L6_PWR w20.06: v1(1056.98,693.04) 1125.72,761.77 1125.72,781.06 1125.72,800.35 ; 1085.45,934.94 1085.45,917.79 1117.55,885.68 1125.72,877.51 ; 1125.72,858.22 1125.72,877.51 ; v1(1848.35,1029.84) 1312.33,1029.84 1160,877.51 1125.72,877.51
  L8_BOT w2: 1092.03,999.88 1092.03,1010.62 1092.03,1021.36
  L8_BOT w8.96: v2@1081.31,1032.09 1092.03,1021.36
  L8_BOT w10: 1084.09,973.8 1084.09,940.26 C2.1@1083.09,939.26 1084.1,938.25 1096.4,938.25 1104.85,929.8 1104.85,867.57
  L8_BOT w10.55: 1092.03,999.88 1096.2,995.71
  L8_BOT w12.13: 1096.2,995.71 C392.1@1100.18,989.7
  L8_BOT w20.06: v2(1079.41,1033.53) v2@1081.31,1032.09